# Altium PCB PCB3.PcbDoc (part 1 of 2) (continued)
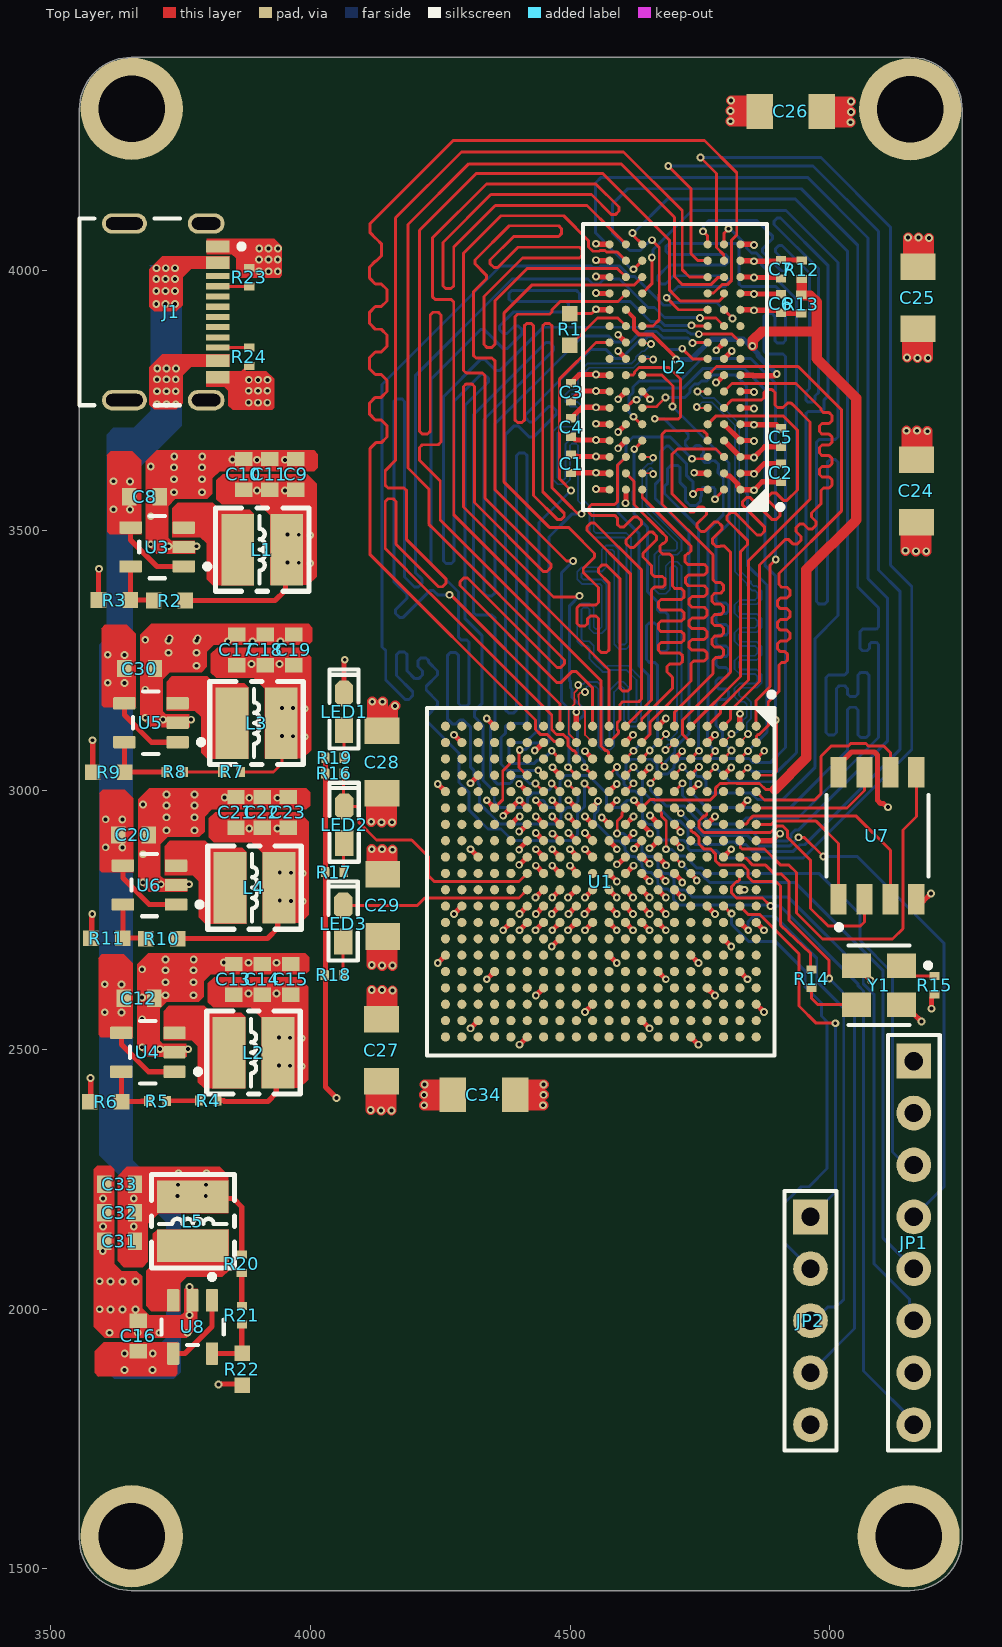
[diagram p0: Top Layer view]
## Part data
C1 C2 C3 C4 C5 C6 C7 C8 C9 C10 C11 C12 C13 C14 C15 C16 C17 C18 C19 C20 C21 C22 C23 C24 C25 C26 C27 C28 C29 C30 C31 C32 C33 C34: library part C
J1: library part CMP-04767-000028-1, "CONN RCP USB2.0 TYP C 24P SMD RA"
JP1: library part "Header 8", "8P接插件", BOM名称=8P接插件, 学习资源=www.ooocke.com, 版权归属=源创客
JP2: library part "Header 5", "5P接插件", BOM名称=5P接插件, 学习资源=www.ooocke.com, 版权归属=源创客
L1 L2 L3 L4 L5: library part L-CD
LED1 LED2 LED3: library part D
R1 R2 R3 R4 R5 R6 R7 R8 R9 R10 R11 R12 R13 R14 R15 R16 R17 R18 R19 R20 R21 R22 R23 R24: library part R
U1: library part CMP-0363-00008-3, "667 MHz Zynq™-7000 AP SoC, 130 PS I/O, 100 FPGA I/O, 400-Ball BGA, Speed Grade 1, Industrial Grade, Pb-Free", Generic Part Number=XC7Z010, Code_JEDEC=MO-275-MMAA-1, ComponentLink1Description=Datasheet, ComponentLink1URL=http://www.xilinx.com/support/documentation/data_sheets/ds190-Zynq-7000-Overview.pdf, ComponentLink2Description="Package Specification", ComponentLink2URL=http://www.xilinx.com/support/documentation/user_guides/ug865-Zynq-7000-Pkg-Pinout.pdf, ComponentLink3Description="DC and AC Switching Characteristics", ComponentLink3URL=http://www.xilinx.com/support/documentation/data_sheets/ds187-XC7Z010-XC7Z020-Data-Sheet.pdf, ComponentLink4Description="Package File", ComponentLink4URL=http://www.xilinx.com/support/packagefiles/z7packages/xc7z010clg400pkg.txt, ComponentLink5Description="Packaging and Pinout", ComponentLink5URL=http://www.xilinx.com/support/documentation/user_guides/ug865-Zynq-7000-Pkg-Pinout.pdf, ComponentLink6Description="PCB and Layout Guide", ComponentLink6URL=http://www.xilinx.com/support/documentation/user_guides/ug483_7Series_PCB.pdf, DatasheetVersion=v1.2, Extensible Block RAM (# 36Kb Blocks)="240 KB (60)", Flip Flops=35200, LUTs=17600, Mounting Technology="Surface Mount", PackageDescription="Wire-Bond Chip-Scale BGA, Body 17 x 17 mm, 0.8 mm Pitch", PackageReference=CLG400, PackageVersion="Rev 1.1, 09/2012", PartNumber=XC7Z010-1CLG400I, RoHS=Pb-Free, Speed Grade=-1
U2: library part CMP-2000-04968-1, "4 Gb DDR3-1600 SDRAM, 256 Mb x 16, 1.25 ns, 1.5 V, 0 to 95 degC, 96-Ball FBGA, Pb-Free", Manufacturer=Micron, Operating Supply Voltage=1.5V, Operating Temperature=0to95degC, Package=96FBGA, Package Description="96-Ball Fine-Pitch Ball Grid Array, Body 14 x 9 mm, Pitch 0.8 mm", Package Reference=HA-96, Address Bus Width=18Bit, Data Bus Width=16Bit, Datasheet URL=http://passthrough.fw-notify.net/download/888500/http://download.siliconexpert.com/pdfs/2013/4/14/9/8/34/442/mic_/manual/234gb_ddr3_sdram.pdf, Datasheet Version="Rev. M, 04/2013", Density=4Gb, Manufacturer URL=https://www.micron.com/, Maximum Clock Rate=1600MHz, Number of Bits per Word=16Bit, Rad Hard=No, Type=DDR3SDRAM
U3 U4 U5 U6 U8: library part CMP-04918-000387-1, "IC REG BUCK ADJ 2A SOT23-5", Case/Package=SOT-23-5, Max Input Voltage=5.5V, Max Operating Temperature=125°C, Min Input Voltage=2.5V, Min Operating Temperature=-40°C, Min Output Voltage=600mV, Output Current=2A, Switching Frequency=1.5MHz, Max Output Voltage=5.5V, Mount="Surface Mount", Output Configuration=Positive, Output Type=Adjustable, Packaging="Cut Tape", RoHS Compliant=Yes, Synchronous Rectifier=Yes
U7: library part CMP-78876-000009-1, "IC FLASH 16MBIT SPI/QUAD 8SOIC", Case/Package=SOIC, Frequency=133MHz, Max Operating Temperature=85°C, Min Operating Temperature=-40°C, Memory Size=16Mb, Memory Type=Non-Volatile, Mount="Surface Mount", Packaging="Tape and Reel", Series=SpiFlash®
Y1: library part CMP-25159-264104-1, "Oscillator MEMS 1MHz to 110MHz ±20ppm (Stability) LVCMOS 2.5V/2.8V/3V/3.3V Medical 4-Pin QFN SMD T/R"

## Free pads (board coordinates)
  round 196.85 hole 127.95: ""(3656,1563) ""(3656,4312) ""(5152,1563) ""(5155,4311)

## Via types
v1: diameter 15, hole 7.5, Top Layer to Bottom Layer, tented both sides, 471 vias
v2: diameter 15, hole 7, Top Layer to Bottom Layer, tented both sides, 4 vias

## Nets (pads, with @x,y where several pads share a name; then routed paths per layer and width w, separated by ;. In a path a pad name is that pad's centre, name@x,y a point inside that pad or via, vN(x,y) a via of type N, cw(c..) or ccw(c..) an arc to the next point about the centre after c; other vN are vias at no path point)
3V3: C31.1 C32.1 C33.1 C34.1 JP1.1 L5.2 R15.1 R16.1 R17.1 R18.1 R19.1 R20.2 U1.A13 U1.B6 U1.B16 U1.D7 U1.D12 U1.E15 U1.K6 U1.M6 U1.N6 U1.R6 U1.T6 U7.8 Y1.4 | length 1511.3
  Top Layer w10: L5.2@3773.6,2216.67 3777.13,2213.14 3851.64,2213.14 3867.6,2197.18 3867.6,2118.13 R20.2@3867.6,2105.25 ; R19.1@4028.76,3062.11 4028.76,2842 4028.76,2428.24 v1(4050,2407) ; v1(4371.1,2950.54) U1.T6@4386.02,2965.47 4386.84,2965.47 4401.77,2980.4 v1(4402.59,2980.4) U1.R6@4417.52,2965.47 ; v1(4465.58,2980.4) U1.N6@4480.51,2965.47 ; v1(4497.08,2980.4) U1.M6@4512.01,2965.47 ; U1.K6@4575,2965.47 v1(4589.93,2980.4) ; U1.E15@4732.48,2682.01 v1(4747.41,2667.08) ; U1.D12@4763.98,2776.5 v1(4778.9,2761.57) ; U1.D7@4763.98,2933.98 v1(4778.9,2948.9) ; U1.B16@4826.97,2650.51 v1(4841.9,2635.58) ; U1.B6@4826.97,2965.47 v1(4841.9,2980.4) ; U1.A13@4858.46,2745 v1(4873.39,2730.07) ; U7.8@5017,3034.05 5017,3047.83 5042.17,3073 5086.05,3073 5091.75,3067.3 5091.75,2980.25 5097.61,2974.39 5103.25,2974.39 5110.65,2967 v1(5112,2967) ; Y1.4@5162,2569 v1(5176.93,2554.07) ; v1(5196,2579) 5196,2600.28 R15.1@5202,2606.28
  Top Layer w20: C34.1@4394,2413 v1(4449,2413) ; C34.1@4408.59,2433 v1(4449,2433) ; C34.1@4410,2393 v1(4448,2393)
  other v1: 3659.65,2159.43 3659.65,2213.43 3744.26,2218.2 3798.26,2218.2 3744.93,2239.9 3798.93,2239.9 3745.93,2261.9 3799.93,2261.9
5V: C8.1 C12.1 C16.1 C20.1 C30.1 J1.A4-B9 J1.B4-A9 U3.1 U3.4 U4.1 U4.4 U5.1 U5.4 U6.1 U6.4 U8.1 U8.4 | length 734.7
  Top Layer w10: U4.4@3635.82,2532.4 3635.82,2509.76 3687.98,2457.6 U4.1@3738.18,2457.6 ; U6.4@3638.82,2854.4 3638.82,2830.36 3689.58,2779.6 U6.1@3741.18,2779.6 ; U5.4@3641.64,3167 3641.64,3144.36 3693.8,3092.2 U5.1@3744,3092.2 ; U3.4@3653.64,3505.4 3653.64,3481.36 3704.4,3430.6 U3.1@3756,3430.6 ; U8.4@3735.6,1914.82 3758.24,1914.82 3810.4,1966.98 U8.1@3810.4,2017.18
  other v1: 3641.93,1882.9 3695.93,1882.9 3642.26,1914.95 3696.26,1914.95 3603.9,2572.07 3635.95,2571.74 3603.9,2626.07 3635.95,2625.74 3637.71,2889.33 3605.65,2889.67 3637.71,2943.33 3605.65,2943.67 3641.77,3206.33 3609.72,3206.67 3641.77,3260.33 3609.72,3260.67 3652.53,3540.33 3620.47,3540.67 3652.53,3594.33 3620.47,3594.67 3704.67,3742.94 3722.67,3742.94 3740.67,3742.94 3704.67,3767.94 3722.67,3767.94 3740.67,3767.94 3704.67,3790.94 3722.67,3790.94 3740.67,3790.94 3705,3812 3723,3812 3741,3812 3703,3936 3721,3936 3739,3936 3703,3961 3721,3961 3739,3961 3703,3984 3721,3984 3739,3984 3703.33,4005.06 3721.33,4005.06 3739.33,4005.06
DDR_A0: U1.N2 U2.N3 | length 2413.9
  Top Layer w5.68: U1.N2@4480.51,3091.46 4478.39,3093.58 4469.42,3093.58 4455.75,3107.25 4442.51,3107.25 4433.22,3116.55 4433.22,3134.78 4115,3453 4115,3611.58 4115,3658.1 4125.92,3669.02 4136.54,3669.02 4147.46,3679.94 4147.46,3701.78 4136.54,3712.7 4124.92,3712.7 4114,3723.62 4114,3745.46 4124.92,3756.38 4136.54,3756.38 4147.46,3767.3 4147.46,3789.14 4136.54,3800.06 4124.92,3800.06 4114,3810.98 4114,3832.82 4124.92,3843.74 4136.54,3843.74 4147.46,3854.66 4147.46,3876.5 4136.54,3887.42 4124.92,3887.42 4114,3898.34 4114,3920.18 4124.92,3931.1 4136.54,3931.1 4147.46,3942.02 4147.46,3963.86 4136.54,3974.78 4124.92,3974.78 4114,3985.7 4114,4007.54 4124.92,4018.46 4126.27,4018.46 4137.19,4029.38 4137.19,4051.22 4126.27,4062.14 4125.92,4062.14 4115,4073.06 4115,4078 4115,4091 4275,4251 4759,4251 4821,4189 4821,4069 4811.21,4059.21 4811.21,3981.86 4802.59,3973.24 4792.47,3973.24 4776.26,3957.03 4765.57,3957.03 U2.N3@4765,3956.46
DDR_A1: U1.K2 U2.P7 | length 2513.3
  Top Layer w5.68: U1.K2@4575,3091.46 4593.04,3109.5 4593.04,3114.2 4590.8,3116.45 4590.8,3129.46 4596,3134.66 4596,3162 4596,3164.84 4601.17,3170.01 4632.19,3170.01 4637.36,3175.18 4637.36,3424.13 4547.26,3514.23 4539.95,3514.23 4532.64,3506.92 4532.64,3499.6 4616.68,3415.56 4616.68,3195.86 4611.51,3190.69 4601.17,3190.69 4596,3195.86 4596,3407 4569.22,3433.78 4561.91,3433.78 4554.59,3426.47 4554.59,3419.16 4575.32,3398.43 4575.32,3270.22 4570.15,3265.05 4559.81,3265.05 4554.64,3270.22 4554.64,3330.28 4549.47,3335.45 4539.13,3335.45 4533.96,3330.28 4533.96,3320.93 4528.79,3315.76 4518.45,3315.76 4513.28,3320.93 4513.28,3350.96 4518.45,3356.13 4549.47,3356.13 4554.64,3361.3 4554.64,3389.87 4525.35,3419.16 4525.35,3426.47 4547.28,3448.4 4547.28,3455.72 4502.66,3500.33 4497,3506 4460,3506 4373,3593 4373,3919 4427,3973 4624.06,3973 U2.P7@4639.02,3987.95
DDR_A2: U1.M3 U2.P3 | length 2500
  Top Layer w5.68: 4144,3589.69 4144,3586.85 ; U1.M3@4511.54,3059.96 U1.M3@4512.01,3059.96 4511.26,3060.71 4511.26,3072.43 4507.93,3075.76 4505.51,3075.76 4496.26,3085 4496.26,3097.91 4486.94,3107.23 4474.03,3107.23 4464.71,3116.55 4464.71,3144.29 4237.79,3371.21 4232.12,3376.88 4228.47,3380.53 4144,3465 4144,3555.83 4149.17,3561 4159.51,3561 4164.68,3555.83 4164.68,3473.56 4246.75,3391.5 4254.06,3391.5 4261.37,3398.81 4261.37,3406.12 4185.36,3482.13 4185.36,3576.51 4180.19,3581.68 4149.17,3581.68 4144,3586.85 ; U2.P3@4765,3987.95 4730.05,3987.95 4716,4002 4716,4116 4603,4229 4291,4229 4164,4102 4164,3635 4144,3615 4144,3586.85
DDR_A3: U1.K3 U2.N2 | length 2503.7
  Top Layer w5.68: U1.K3@4575,3059.96 4574.25,3060.71 4574.25,3072.43 4570.93,3075.76 4568.5,3075.76 4559.3,3084.95 4559.3,3210.7 4250,3520 4250,3595 4210,3635 4210,3657 4210,3659.84 4215.17,3665.01 4246.19,3665.01 4251.36,3670.18 4251.36,3915.04 4246.19,3920.21 4235.85,3920.21 4230.68,3915.04 4230.68,3690.86 4225.51,3685.69 4215.17,3685.69 4210,3690.86 4210,3938 4210,4078 4319,4187 4563.63,4187 4667.61,4083.02 4691.11,4059.52 4691.11,3962.89 4691.66,3962.34 4691.94,3962.34 4700.34,3953.94 4700.34,3953.66 4712.26,3941.74 4787.46,3941.74 4794.57,3948.86 4794.57,3954.53 U2.N2@4796.5,3956.46
DDR_A4: U1.M4 U2.P8 | length 2429.2
  Top Layer w5.68: v1(4496,3044) 4511.54,3028.46 U1.M4@4512.01,3028.46 ; v1(4506,3441) 4493,3441 4355,3579 4355,3824 4355,3826.84 4349.83,3832.01 4318.81,3832.01 4313.64,3837.18 4313.64,3959.13 4338.69,3984.18 4338.69,3991.49 4316.76,4013.43 4316.76,4020.74 4382.74,4086.72 4477.96,4086.72 4483.13,4081.55 4483.13,4071.21 4477.96,4066.04 4391.3,4066.04 4346,4020.74 4346,4013.43 4353.31,4006.12 4360.63,4006.12 4399.87,4045.36 4517.99,4045.36 4523.16,4040.19 4523.16,4029.85 4517.99,4024.68 4408.43,4024.68 4334.32,3950.57 4334.32,3857.86 4339.49,3852.69 4349.83,3852.69 4355,3857.86 4355,3942 4417,4004 4517.99,4004 4526,4004 4591.47,4004 U2.P8@4607.52,3987.95
  Bottom Layer w5.68: v1(4496,3044) 4497.78,3045.78 4497.78,3051.77 4498,3051.99 4498,3143.72 4497.66,3144.06 4497.66,3155.94 4483.3,3170.3 4483.3,3418.3 v1(4506,3441)
DDR_A5: U1.L1 U2.P2 | length 2512.1
  Top Layer w5.68: U1.L1@4543.5,3122.95 4543.5,3196.5 4513.29,3226.71 4511.28,3228.72 4503.97,3228.72 4482.03,3206.79 4474.72,3206.79 4287.79,3393.72 4287.79,3401.03 4295.1,3408.34 4302.41,3408.34 4474.72,3236.03 4482.03,3236.03 4489.34,3243.34 4489.34,3250.66 4240.29,3499.71 4228,3512 4228,3580 4188,3620 4188,4089 4305,4206 4598,4206 4701,4103 4701,3989 4716.76,3973.24 4771.09,3973.24 4785.24,3987.38 4795.93,3987.38 U2.P2@4796.5,3987.95
DDR_A6: U1.L4 U2.R8 | length 2443.8
  Top Layer w5.68: v1(4518,3374) 4518,3373 4517,3372 4503.82,3372 4468,3372 4295,3545 4295,3777.14 4300.17,3782.31 4310.51,3782.31 4315.68,3777.14 4315.68,3553.57 4448.28,3420.96 4455.59,3420.96 4462.9,3428.28 4462.9,3435.59 4336.36,3562.13 4336.36,3797.82 4331.19,3802.99 4300.17,3802.99 4295,3808.16 4295,3811 4295,4034 4367,4106 4487.59,4106 4535.66,4057.93 4535.66,4046.05 4544.06,4037.65 4555.94,4037.65 4557.39,4039.1 4567.06,4039.1 4569.93,4036.23 4590.74,4036.23 U2.R8@4607.52,4019.45 ; v1(4527.5,3044) 4543.03,3028.46 U1.L4@4543.5,3028.46
  Bottom Layer w5.68: v1(4518,3374) 4499.15,3355.15 4499.15,3210.45 4501.23,3208.37 4501.23,3196.5 4503.3,3194.42 4503.3,3178.98 4526.34,3155.94 4526.34,3144.06 4514.24,3131.96 4514.24,3068.95 4527.5,3055.69 v1(4527.5,3044)
DDR_A7: U1.K4 U2.R2 | length 2457.3
  Top Layer w5.68: U1.K4@4575,3028.46 4575,3028.94 v1(4590.54,3044.47) ; v1(4751,4218) 4781.78,4187.22 4781.78,4044.85 4795.93,4030.7 4795.93,4020.02 U2.R2@4796.5,4019.45 U2.R2@4797.45,4019.45
  Bottom Layer w5.68: v1(4590.54,3044.47) 4590.54,3031.57 4604.27,3017.84 4604.27,3010.46 4616.33,2998.4 4625.34,2998.4 4637.4,2986.34 4637.4,2973.65 4639.4,2971.65 4639.4,2952.03 4639.66,2951.77 4639.66,2945.06 4651.02,2933.71 4657.72,2933.71 4669.08,2922.35 4669.08,2912.47 4677.82,2903.72 4708.56,2903.72 4708.94,2903.34 4718.94,2903.34 4727.34,2894.94 4727.34,2887.33 4730.67,2884 4781,2884 4796,2869 4804.89,2869 4805.26,2869.36 4817.14,2869.36 4817.5,2869 4949,2869 5158,3078 5158,3392 5117,3433 5117,4084 4983,4218 v1(4751,4218)
DDR_A8: U1.K1 U2.T8 | length 2503.6
  Top Layer w5.68: U1.K1@4575,3122.95 4575,3231 4276,3530 4276,3937.01 4276,3939.85 4270.83,3945.02 4239.81,3945.02 4234.64,3950.19 4234.64,4063.13 4338.87,4167.36 4549.6,4167.36 4594.27,4122.68 4594.27,4115.37 4586.96,4108.06 4579.65,4108.06 4541.03,4146.68 4347.43,4146.68 4255.32,4054.57 4255.32,3970.87 4260.49,3965.7 4270.83,3965.7 4276,3970.87 4276,4046 4356,4126 4532.46,4126 4581.23,4077.23 U2.T8@4607.52,4050.94
DDR_A9: U1.J4 U2.R3 | length 2411.7
  Top Layer w5.68: U1.J4@4606.5,3028.46 4606.5,3028.94 v1(4622.03,3044.47) ; v1(4689,4202) 4733,4158 4733,4033 4746.55,4019.45 U2.R3@4765,4019.45
  Bottom Layer w5.68: v1(4622.03,3044.47) 4639.4,3027.1 4639.4,2998.03 4696.52,2940.92 4711.24,2940.92 4727.21,2924.95 4727.21,2908.76 4740.67,2895.3 4799.5,2895.3 4804.46,2900.25 4816.34,2900.25 4821.3,2895.3 4838.7,2895.3 4852,2882 4930,2882 4942.66,2894.66 4951.97,2894.66 5135,3077.69 5135,3383 5094,3424 5094,4076 4968,4202 v1(4689,4202)
DDR_A10: U1.F5 U2.L7 | length 2448.3
  Top Layer w5.68: U2.L7@4639.02,3893.46 4659.46,3893.46 4671.75,3905.75 4671.75,3941.97 4671.66,3942.06 4671.66,3953.94 4671.75,3954.03 4671.75,4044.91 v1(4657.66,4059) ; U1.F5@4700.98,2996.97 4700.98,2997.44 v1(4716.52,3012.98)
  Bottom Layer w5.68: v1(4657.66,4059) 4655,4059 4635,4039 4615,4039 4582,4072 4582,4129 4611,4158 4945,4158 5054,4049 5054,3391 5094,3351 5094,3317 5094,3314.16 5089.58,3309.74 5063.06,3309.74 5058.64,3305.32 5058.64,3272.66 5063.06,3268.24 5071.9,3268.24 5076.32,3272.66 5076.32,3280.15 5080.74,3284.57 5089.58,3284.57 5094,3280.15 5094,3246 5094,3101 4939,2946 4838.94,2946 4827.5,2934.56 4772.96,2934.56 4767.59,2939.94 4766.06,2939.94 4716.52,2989.48 v1(4716.52,3012.98)
DDR_A11: U1.G4 U2.R7 | length 2398.5
  Top Layer w5.68: v1@4622.51,4002.94 U2.R7@4639.02,4019.45 ; v1(4655,3013) 4655,3013.98 U1.G4@4669.49,3028.46
  Bottom Layer w5.68: v1@4620.06,4000.94 4564.34,4056.66 4564.34,4057.93 4549,4073.27 4549,4169 4560,4180 4957,4180 5074,4063 5074,3407 5111,3370 5111,3094 4940.34,2923.34 4934.06,2923.34 4925.66,2914.94 4925.66,2908.66 4918.66,2901.66 4880.74,2901.66 4879.33,2903.07 4867.45,2903.07 4847.52,2923 4765.17,2923 4736.89,2951.28 4736.89,2951.97 4719.26,2969.6 4684.82,2969.6 4655,2999.42 v1(4655,3013)
  other v1: 4622.06,4002.94
DDR_A12: U1.E4 U2.N7 | length 2461.1
  Top Layer w5.68: U2.N7@4639.02,3956.46 4657.41,3974.85 v1(4657.41,4025.53) ; U1.E4@4732.48,3028.46 4732.48,3028.94 v1(4748.02,3044.47)
  Bottom Layer w5.68: v1(4657.41,4025.53) 4657.41,4026.26 4660,4028.85 4660,4041 4735,4116 4916,4116 5016,4016 5016,3683 5016,3680.16 5010.83,3674.99 4979.81,3674.99 4974.64,3669.82 4974.64,3363.08 4979.81,3357.91 4990.15,3357.91 4995.32,3363.08 4995.32,3631.26 5000.49,3636.43 5010.83,3636.43 5016,3631.26 5016,3336 4972,3292 4972,3044 4909.61,2981.61 4860.96,2981.61 4847.84,2994.74 4765.08,2994.74 4761.75,2998.07 4761.75,3017.84 4753.35,3026.24 4745.01,3026.24 4741.68,3029.56 4741.68,3036.49 4748.02,3042.82 v1(4748.02,3044.47)
DDR_A13: U1.D4 U2.T3 | length 2439.8
  Top Layer w5.68: v1(4756,4076) 4765,4067 U2.T3@4765,4050.94 ; U1.D4@4763.98,3028.46 4763.98,3028.94 v1(4779.51,3044.47)
  Bottom Layer w5.68: v1(4756,4076) 4756.65,4076.65 4756.65,4086.65 4767,4097 4860,4097 4875,4082 4880.13,4076.87 4889.51,4067.49 4889.51,4061.24 4870.76,4042.49 4870.76,4036.24 4906.88,4000.12 4913.13,4000.12 4919.38,4006.37 4919.38,4012.62 4895.76,4036.24 4895.76,4042.49 4902.01,4048.74 4908.26,4048.74 4961,3996 4961,3773.1 4954,3766.1 4954,3751.36 4958.42,3746.94 4967.26,3746.94 4971.68,3751.36 4971.68,3758.78 4978.68,3765.78 4978.68,4003.32 4892.64,4089.37 4892.64,4095.62 4898.89,4101.87 4905.14,4101.87 4996.36,4010.65 4996.36,3758.45 4989.36,3751.45 4989.36,3733.68 4984.94,3729.26 4958.42,3729.26 4954,3724.84 4954,3722 4954,3054 4916,3016 4807.98,3016 v1(4779.51,3044.47)
DDR_A14: U1.F4 U2.T7 | length 2433.8
  Top Layer w5.68: v1(4620,4073) 4621.78,4071.22 4621.78,4068.18 U2.T7@4639.02,4050.94 ; U1.F4@4700.98,3028.46 4700.98,3028.94 v1(4716.52,3044.47)
  Bottom Layer w5.68: v1(4620,4073) 4622,4073 4687,4138 4934,4138 5034,4038 5034,3229.52 5034,3226.68 5028.83,3221.51 4997.81,3221.51 4992.64,3216.34 4992.64,3111.09 4997.81,3105.92 5008.15,3105.92 5013.32,3111.09 5013.32,3195.66 5018.49,3200.83 5028.83,3200.83 5034,3195.66 5034,3185.32 5039.17,3180.15 5049.51,3180.15 5054.68,3185.32 5054.68,3221.51 5059.85,3226.68 5070.19,3226.68 5075.36,3221.51 5075.36,3106.22 5070.19,3101.05 5059.85,3101.05 5054.68,3106.22 5054.68,3154.3 5049.51,3159.47 5039.17,3159.47 5034,3154.3 5034,3091 5034,3076 4924,2966 4763,2966 4732,2997 4732,3028.99 v1(4716.52,3044.47)
DDR_BA0: U1.L5 U2.M2 | length 2447.5
  Top Layer w5.68: v1(4527.5,3012.5) 4543.03,2996.97 U1.L5@4543.5,2996.97 ; U2.M2@4796.5,3924.96 4813,3908.46 v1(4813,3908)
  Bottom Layer w5.68: v1(4527.5,3012.5) 4527.5,2967.97 4524.17,2964.64 4524.04,2964.64 4514.24,2954.84 4514.24,2914.28 4503.02,2903.07 4473.35,2903.07 4471.94,2901.66 4460.06,2901.66 4458.65,2903.07 4388.93,2903.07 4367.12,2924.88 4342.12,2924.88 4305,2962 4305,2995.72 4286,3014.72 4286,3071 4224.98,3132.02 4222.97,3134.03 4222.97,3141.34 4244.9,3163.28 4244.9,3170.59 4222.97,3192.52 4222.97,3199.83 4244.9,3221.77 4244.9,3229.08 4227.72,3246.26 4227.72,3249.02 4222.55,3254.19 4212.21,3254.19 4207.04,3249.02 4207.04,3237.7 4215.66,3229.08 4215.66,3221.77 4208.35,3214.46 4201.03,3214.46 4186.36,3229.13 4186.36,3260.56 4181.19,3265.73 4170.85,3265.73 4165.68,3260.56 4165.68,3220.57 4197.01,3189.24 4197.01,3181.93 4189.7,3174.62 4182.38,3174.62 4145,3212 4145,3260.56 4145,3268.57 4138,3275.57 4138,3781 4366,4009 4541.22,4009 4544.06,4006.16 4555.94,4006.16 4558.78,4009 4595.72,4009 4616.12,3988.6 4625.12,3988.6 4680.06,3933.66 4691.94,3933.66 4697.28,3939 4782,3939 v1(4813,3908)
DDR_BA1: U1.R4 U2.N8 | length 2456.2
  Top Layer w5.68: v1(4403,3077) 4402.03,3076.03 4402.03,3066.67 4401.82,3066.46 4401.82,3043.18 4416.3,3028.7 U1.R4@4417.52,3028.7 ; v1(4522,3532) 4520.22,3533.78 4513.22,3533.78 4509.54,3537.46 4507.53,3539.47 4501.28,3545.72 4465,3582 4465,3894.18 4460.58,3898.6 4451.74,3898.6 4447.32,3894.18 4447.32,3574.68 4488.78,3533.22 4488.78,3526.97 4482.52,3520.72 4476.27,3520.72 4429.64,3567.35 4429.64,3894.18 4425.22,3898.6 4416.38,3898.6 4411.96,3894.18 4411.96,3712.13 4407.54,3707.71 4398.7,3707.71 4394.28,3712.13 4394.28,3911.86 4398.7,3916.28 4425.22,3916.28 4460.58,3916.28 4465,3920.7 4465,3923.54 4465,3925 4481,3941 4592.06,3941 U2.N8@4607.52,3956.46
  Bottom Layer w5.68: v1(4403,3077) 4403.79,3077.79 4413.51,3077.79 4426.06,3090.34 4455.98,3090.34 4459.3,3093.67 4459.3,3487.3 4504,3532 v1(4522,3532)
DDR_BA2: U1.J5 U2.M3 | length 2462.8
  Top Layer w5.68: U1.J5@4606.5,2996.97 4606.5,2997.44 v1(4622.03,3012.98) ; v1(4686,3948) 4709.04,3924.96 U2.M3@4765,3924.96
  Bottom Layer w5.68: v1(4622.03,3012.98) 4621.93,3012.98 4613.95,3020.96 4613.95,3032.28 4607.69,3038.53 4607.69,3050.41 4616.62,3059.34 4657.25,3059.34 4667.26,3049.33 4667.26,3039.46 4676.06,3030.66 4687.94,3030.66 4700.13,3042.85 4700.13,3048.36 4712.32,3060.55 4778.39,3060.55 4778.52,3060.68 4844.6,3060.68 4852.6,3052.68 4885.68,3052.68 4915,3082 4915,3832 4915,3834.84 4909.83,3840.01 4878.81,3840.01 4873.64,3845.18 4873.64,3912.46 4878.81,3917.63 4889.15,3917.63 4894.32,3912.46 4894.32,3865.86 4899.49,3860.69 4909.83,3860.69 4915,3865.86 4915,3936 4915,3951 4896.25,3969.75 4833,3969.75 4830.16,3969.75 4824.99,3974.92 4824.99,4047.3 4819.82,4052.47 4690.33,4052.47 4685.16,4047.3 4685.16,4036.96 4690.33,4031.79 4799.14,4031.79 4804.31,4026.62 4804.31,4016.28 4799.14,4011.11 4690.62,4011.11 4668.93,3989.42 4668.93,3982.11 4676.24,3974.79 4683.55,3974.79 4699.18,3990.43 4799.14,3990.43 4804.31,3985.26 4804.31,3974.92 4799.14,3969.75 4707.75,3969.75 4692.51,3954.51 v1(4686,3948)
DDR_CAS: U1.P5 U2.K3 | length 2462.7
  Top Layer w5.68: v1(4433.48,3012.5) U1.P5@4449.02,2996.97 U1.P5@4449.49,2996.97 ; v1(4736,3861) 4736.97,3861.97 U2.K3@4765,3861.97
  Bottom Layer w5.68: v1(4433.48,3012.5) 4421.78,3012.5 4407.94,3026.34 4396.06,3026.34 4387.66,3017.94 4387.66,3015.83 4384.33,3012.5 4366.5,3012.5 4365.35,3011.35 4360.65,3011.35 4347,3025 4347,3125 4355,3133 4355,3329.01 4355,3331.85 4349.83,3337.02 4318.81,3337.02 4313.64,3342.19 4313.64,3722.13 4453.28,3861.77 4460.59,3861.77 4467.9,3854.46 4467.9,3847.15 4334.32,3713.57 4334.32,3379.2 4339.49,3374.03 4349.83,3374.03 4355,3379.2 4355,3705 4494.84,3844.84 4500.5,3850.5 4524,3874 4575.21,3874 4586.65,3862.56 4616.34,3862.56 4632.46,3878.68 4641.71,3878.68 4646.05,3883.02 4666.67,3883.02 4678.71,3870.98 4726.02,3870.98 v1(4736,3861)
DDR_CK_N: U1.M2 U2.K7 | length 2439.4
  Top Layer w3.39: U1.M2@4512.01,3091.46 4512.01,3094.23 4497.45,3108.79 4497.45,3154.12 4508.36,3165.03 4508.36,3175.16 4508.01,3175.51 4508.01,3187.38 4513.81,3193.18 4513.81,3200.68 v1(4515.56,3202.43) ; U2.K7@4639.02,3861.97 4640.5,3860.48 4654.52,3860.48 v1(4656,3859)
  Bottom Layer w3.39: v1(4515.56,3202.43) 4517.17,3204.04 4525.48,3204.04 4529.68,3208.24 4552.2,3208.24 4562.45,3197.99 4562.45,3087.99 4564.44,3086 4574.14,3086 4576.13,3087.99 4576.13,3192.13 4592.39,3208.39 4602.48,3208.39 4612.39,3198.48 4612.39,3137.61 4619,3131 4626.01,3131 4628,3132.99 4628,3212 4609,3231 4576,3231 4572.54,3227.54 4562.59,3227.54 4543.8,3246.33 4537.37,3252.76 4537.37,3270 4537.37,3274.16 4533.52,3278 4522.35,3278 4513.58,3286.77 4513.58,3351.2 4522.35,3359.97 4537,3359.97 4545.77,3351.2 4545.77,3314.04 4549.62,3310.19 4557.31,3310.19 4561.16,3314.04 4561.16,3393.1 4557.31,3396.95 4522.35,3396.95 4513.58,3405.72 4513.58,3420.37 4522.35,3429.14 4557.31,3429.14 4561.16,3432.98 4561.16,3462.44 4569.93,3471.21 4584.58,3471.21 4593.35,3462.44 4593.35,3283.94 4597.19,3280.09 4604.89,3280.09 4608.74,3283.94 4608.74,3482.75 4604.89,3486.6 4546.14,3486.6 4537.37,3495.37 4537.37,3503 4537.37,3535.29 4515.2,3557.47 4515.2,3561 4515.2,3663.59 4511.35,3667.44 4503.65,3667.44 4499.8,3663.59 4499.8,3597.75 4491.04,3588.98 4476.39,3588.98 4467.62,3597.75 4467.62,3690.86 4476.39,3699.63 4511.35,3699.63 4515.2,3703.48 4515.2,3734.96 4511.35,3738.81 4500.17,3738.81 4491.41,3747.58 4491.41,3762.23 4500.17,3771 4511.35,3771 4515.2,3774.84 4515.2,3779 4515.2,3803.12 4533.69,3821.62 4618.62,3821.62 4626.61,3829.61 4626.61,3833.31 4638.5,3845.2 4642.82,3845.2 4656,3858.38 v1(4656,3859)
DDR_CK_P: U1.L2 U2.J7 | length 2426.7
  Top Layer w3.39: v1(4529,3189) 4527.24,3187.24 4519.74,3187.24 4516.41,3183.91 4516.41,3178.98 4516.76,3178.63 4516.76,3165.85 4518.83,3163.78 4518.83,3161.84 4528.95,3151.72 4528.95,3106.01 U1.L2@4543.5,3091.46 ; U2.J7@4643.02,3831.97 4644.5,3830.48 4658.52,3830.48 v1(4660,3829)
  Bottom Layer w3.39: v1(4529,3189) 4531.16,3191.16 4531.16,3197.85 4533.15,3199.84 4548.72,3199.84 4554.05,3194.51 4554.05,3084.51 4560.96,3077.61 4577.62,3077.61 4584.52,3084.51 4584.52,3188.65 4595.87,3200 4599,3200 4604,3195 4604,3134.13 4615.52,3122.61 4629.49,3122.61 4636.39,3129.51 4636.39,3215.48 4612.48,3239.39 4572.52,3239.39 4569.06,3235.94 4566.06,3235.94 4545.77,3256.23 4545.77,3270 4545.77,3277.63 4537,3286.4 4525.83,3286.4 4521.98,3290.25 4521.98,3347.73 4525.83,3351.57 4533.52,3351.57 4537.37,3347.73 4537.37,3310.56 4546.14,3301.79 4560.79,3301.79 4569.56,3310.56 4569.56,3396.58 4560.79,3405.35 4525.83,3405.35 4521.98,3409.19 4521.98,3416.89 4525.83,3420.74 4560.79,3420.74 4569.56,3429.51 4569.56,3458.96 4573.41,3462.81 4581.1,3462.81 4584.95,3458.96 4584.95,3280.46 4593.72,3271.7 4608.37,3271.7 4617.14,3280.46 4617.14,3486.23 4608.37,3495 4549.62,3495 4545.77,3498.84 4545.77,3503 4545.77,3538.77 4523.59,3560.94 4523.59,3561 4523.59,3667.07 4514.83,3675.84 4500.17,3675.84 4491.41,3667.07 4491.41,3601.22 4487.56,3597.37 4479.86,3597.37 4476.01,3601.22 4476.01,3687.38 4479.86,3691.23 4514.83,3691.23 4523.59,3700 4523.59,3738.44 4514.83,3747.21 4503.65,3747.21 4499.8,3751.05 4499.8,3758.75 4503.65,3762.6 4514.83,3762.6 4523.59,3771.37 4523.59,3779 4523.59,3799.65 4537.17,3813.22 4622.09,3813.22 4635.01,3826.13 4635.01,3829.83 4641.98,3836.81 4644.79,3836.81 4646.8,3834.8 4651.06,3834.8 4656.86,3829 v1(4660,3829)
DDR_CKE: U1.N3 U2.K9 | length 1053.8
  Top Layer w5.68: v1(4464.74,3075.5) 4480.28,3059.96 U1.N3@4480.75,3059.96 ; v1(4502,3577) 4480,3599 4480,3792 4549.97,3861.97 U2.K9@4576.02,3861.97
  Bottom Layer w5.68: v1(4464.74,3075.5) 4447.44,3058.2 4437.92,3058.2 4431.17,3051.45 4385.33,3051.45 4382,3054.78 4382,3086.67 4386.67,3091.34 4413.37,3091.34 4422.05,3100.02 4423.02,3100.02 4440.3,3117.3 4440.3,3515.3 v1(4502,3577)
DDR_CS: U1.N1 U2.L2 | length 2430.8
  Top Layer w5.68: v1(4268,3376) 4270,3376 4480.51,3165.49 U1.N1@4480.51,3122.95 ; v1(4750,3909) 4780.96,3909 U2.L2@4796.5,3893.46
  Bottom Layer w5.68: 4185.93,3376.58 4185.93,3369.27 4163.99,3347.34 4163.99,3340.03 4171.3,3332.71 4178.61,3332.71 4229.79,3383.89 4237.1,3383.9 4239.11,3381.89 4245,3376 v1(4268,3376) ; 4185.93,3376.58 4160.64,3401.87 4160.64,3748.22 4165.81,3753.39 4176.15,3753.39 4181.32,3748.22 4181.32,3410.43 4200.55,3391.21 4207.86,3391.21 4215.17,3398.52 4215.17,3405.83 4202,3419 4202,3759.99 4202,3768 4202,3798 4388,3984 4534.72,3984 4544.06,3974.66 4555.94,3974.66 4565.28,3984 4595.31,3984 4649.99,3929.32 4662.68,3929.32 4681.85,3910.15 4748.85,3910.15 v1(4750,3909)
DDR_DM0: U1.A1 U2.E7 | length 1079.8
  Top Layer w5.68: v1(4622,3719) 4636.51,3704.49 U2.E7@4639.02,3704.49 ; U1.A1@4858.46,3122.95 4858.46,3172.46 4885,3199 4885,3215 4885,3419 4885,3433 v1(4896,3444)
  Bottom Layer w5.68: v1(4622,3719) 4613.39,3727.61 4613.39,3757.67 4621,3765.28 4621,3776 4633,3788 4711,3788 4754,3831 4847.72,3831 4896,3782.72 v1(4896,3444)
DDR_DM1: U1.F1 U2.D3 | length 862.1
  Top Layer w5.68: U1.F1@4700.98,3122.95 4700.98,3150.02 4775,3224.03 4775,3226.27 4775,3249.79 4780.17,3254.96 4789.98,3254.96 4795.15,3260.13 4795.15,3270.47 4789.98,3275.64 4778.35,3275.64 4773.18,3280.81 4773.18,3291.15 4778.35,3296.32 4789.98,3296.32 4795.15,3301.49 4795.15,3311.83 4789.98,3317 4778.35,3317 4773.18,3322.17 4773.18,3332.51 4778.35,3337.68 4789.98,3337.68 4795.15,3342.85 4795.15,3353.19 4789.98,3358.36 4778.35,3358.36 4773.18,3363.53 4773.18,3373.87 4778.35,3379.04 4789.98,3379.04 4795.15,3384.21 4795.15,3394.55 4789.98,3399.72 4780.17,3399.72 4775,3404.89 4775,3431.27 4775,3453 4677,3551 4677,3685 4684,3692 4756.68,3692 4763.99,3684.69 4763.99,3674 U2.D3@4765,3672.99
DDR_DQ0: U1.E1 U2.E3 | length 1158.6
  Top Layer w5.68: U1.E1@4732.48,3122.95 4828,3218.47 4828,3459 4840,3471 4842.01,3473.01 4842.01,3480.32 4802.06,3520.27 4802.06,3527.58 4809.37,3534.89 4816.68,3534.89 4860.13,3491.45 4867.44,3491.45 4874.75,3498.76 4874.75,3506.07 4832.43,3548.39 4832.43,3555.7 4839.75,3563.01 4847.06,3563.01 4889.37,3520.69 4896.69,3520.69 4904,3528 4904,3535.31 4881.55,3557.76 4881.55,3565.08 4888.86,3572.39 4896.17,3572.39 4910.59,3557.97 4917.9,3557.97 4938,3578.07 4938,3579.22 4938,3693 4911,3720 4780.51,3720 U2.E3@4765,3704.49
DDR_DQ1: U1.B3 U2.F7 | length 996.4
  Top Layer w5.68: U2.F7@4639.02,3735.98 4640.94,3737.91 4647.08,3737.91 4647.38,3738.21 4666.21,3738.21 4671.48,3743.48 v1(4684,3756) ; U1.B3@4826.97,3059.96 4842.03,3075.02 v1(4842.5,3075.02)
  Bottom Layer w5.68: v1(4684,3756) 4721,3756 4731.16,3766.16 4731.16,3773.41 4739.56,3781.81 4746.81,3781.81 4752.9,3787.9 4763.62,3787.9 4775.06,3799.34 4818.24,3799.34 4840.09,3777.49 4840.09,3772.78 4839.68,3772.37 4839.68,3571.52 4842,3569.19 4842,3432 4879,3395 4879,3111.52 v1(4842.5,3075.02)
DDR_DQ2: U1.D1 U2.F2 | length 900.6
  Top Layer w5.68: U1.D1@4763.98,3122.95 4790,3148.98 4790,3158.27 4843.68,3211.95 4843.68,3441.68 4962,3560 4962,3709 4931,3740 4925.86,3745.14 4918.55,3745.14 4909.96,3736.54 4899.62,3736.54 4894.45,3741.71 4894.45,3765.81 4889.28,3770.98 4878.94,3770.98 4873.77,3765.81 4873.77,3756.17 4868.6,3751 4865.76,3751 4811.51,3751 U2.F2@4796.5,3735.98
DDR_DQ3: U1.A4 U2.F8 | length 1103.8
  Top Layer w5.68: U2.F8@4607.52,3735.98 4621.48,3749.95 4625.95,3749.95 v1(4627.73,3751.73) ; U1.A4@4858.46,3028.46 4890.46,3028.46 4897.78,3035.78 4897.78,3133.22 v1(4896,3135)
  Bottom Layer w5.68: v1(4627.73,3751.73) 4630.25,3751.73 4634.4,3755.88 4634.88,3755.88 4653,3774 4718.06,3774 4756.33,3812.27 4834.73,3812.27 4875,3772 4875,3433 4896,3412 v1(4896,3135)
DDR_DQ4: U1.A2 U2.H3 | length 1135.7
  Top Layer w5.68: U2.H3@4765,3798.98 4781.78,3815.76 4939.24,3815.76 5023,3732 5023,3538 4902.14,3417.14 4902.14,3398.59 4902.14,3395.75 4907.31,3390.58 4917.98,3390.58 4923.15,3385.41 4923.15,3375.07 4917.98,3369.9 4904.93,3369.9 4899.76,3364.73 4899.76,3354.39 4904.93,3349.22 4917.98,3349.22 4923.15,3344.05 4923.15,3333.71 4917.98,3328.54 4904.93,3328.54 4899.76,3323.37 4899.76,3313.03 4904.93,3307.86 4917.98,3307.86 4923.15,3302.69 4923.15,3292.35 4917.98,3287.18 4904.93,3287.18 4899.76,3282.01 4899.76,3271.67 4904.93,3266.5 4913.92,3266.5 4919.09,3261.33 4919.09,3250.99 4913.92,3245.82 4907.31,3245.82 4902.14,3240.65 4902.14,3196.59 4902.14,3190.14 4881.66,3169.66 4881.66,3129.06 4881.86,3128.86 4881.86,3124.15 4864.97,3107.25 4862.54,3107.25 4859.21,3103.93 4859.21,3092.2 U1.A2@4858.46,3091.46
DDR_DQ5: U1.D3 U2.H8 | length 1049.7
  Top Layer w5.68: U2.H8@4607.52,3798.98 4620.97,3798.98 4624.3,3802.3 4624.3,3805.07 4632.92,3813.69 4690.31,3813.69 4712.5,3791.5 4712.5,3718.5 4709,3715 v1(4663,3715) ; U1.D3@4763.98,3059.02 U1.D3@4763.98,3059.49 ; U1.D3@4763.98,3060.43 U1.D3@4763.98,3059.96 U1.D3@4763.98,3059.49 ; v1(4779.51,3075.02) U1.D3@4763.98,3059.49
  Bottom Layer w5.68: v1(4663,3715) 4681,3715 4702.5,3693.5 4704.51,3691.49 4711.82,3691.49 4712.99,3692.67 4720.31,3692.67 4727.62,3685.35 4727.62,3678.04 4721.79,3672.21 4721.79,3664.9 4729.1,3657.59 4736.41,3657.59 4742.24,3663.42 4749.55,3663.42 4756.86,3656.11 4756.86,3648.8 4753,3644.93 4753,3637.62 4760.31,3630.31 4767.62,3630.31 4771.49,3634.17 4778.8,3634.17 4786.11,3626.86 4786.11,3619.55 4784.93,3618.38 4784.93,3611.07 4790.5,3605.5 4795,3601 4795,3530 4766,3501 4766,3113.76 4764.56,3112.32 4764.56,3100.44 4766,3099.01 4766,3088.54 v1(4779.51,3075.02)
DDR_DQ6: U1.C1 U2.G2 | length 1109.4
  Top Layer w5.68: U1.C1@4795.47,3122.95 4809,3136.48 4809,3153 4865,3209 4865,3433.28 4897.32,3465.6 4913.95,3482.23 4921.26,3482.23 4929.92,3473.58 4937.23,3473.58 4944.54,3480.89 4944.54,3488.2 4934.88,3497.86 4934.88,3505.17 4942.19,3512.48 4949.51,3512.48 4959.17,3502.82 4966.48,3502.82 4973.79,3510.13 4973.79,3517.44 4965.13,3526.1 4965.13,3533.41 4983,3551.28 4983,3552.75 4983,3553.26 4983,3576.78 4988.17,3581.95 4999,3581.95 5004.17,3587.12 5004.17,3597.46 4999,3602.63 4985.34,3602.63 4980.17,3607.8 4980.17,3618.14 4985.34,3623.31 4999,3623.31 5004.17,3628.48 5004.17,3638.82 4999,3643.99 4985.34,3643.99 4980.17,3649.16 4980.17,3659.5 4985.34,3664.67 4999,3664.67 5004.17,3669.84 5004.17,3680.18 4999,3685.35 4985.34,3685.35 4980.17,3690.52 4980.17,3700.86 4985.34,3706.03 4999,3706.03 5004.17,3711.2 5004.17,3721.54 4999,3726.71 4988.17,3726.71 4983,3731.88 4983,3735 4977.41,3740.59 4935,3783 4812.02,3783 U2.G2@4796.5,3767.48
DDR_DQ7: U1.C3 U2.H7 | length 1040.6
  Top Layer w5.68: U2.H7@4639.02,3798.98 4677.02,3798.98 4698,3778 4698,3762.28 4698.34,3761.94 4698.34,3750.06 4698,3749.72 4698,3739.34 v1(4697.29,3738.63) ; U1.C3@4795.47,3059.96 4795.47,3060.43 v1(4811.01,3075.97)
  Bottom Layer w5.68: v1(4697.29,3738.63) 4806,3629.92 4806,3514 4781,3489 4781,3368.33 4781,3365.49 4786.17,3360.32 4799.76,3360.32 4804.92,3355.15 4804.92,3344.81 4799.76,3339.64 4786.09,3339.64 4780.92,3334.47 4780.92,3324.13 4786.09,3318.96 4799.76,3318.96 4804.92,3313.79 4804.92,3303.45 4799.76,3298.28 4786.09,3298.28 4780.92,3293.11 4780.92,3282.77 4786.09,3277.6 4799.76,3277.6 4804.92,3272.43 4804.92,3262.09 4799.76,3256.93 4786.09,3256.93 4780.92,3251.76 4780.92,3241.42 4786.09,3236.25 4799.76,3236.25 4804.92,3231.08 4804.92,3220.74 4799.76,3215.57 4786.09,3215.57 4780.92,3210.4 4780.92,3200.06 4786.09,3194.89 4799.76,3194.89 4804.92,3189.72 4804.92,3179.38 4799.76,3174.21 4786.17,3174.21 4781,3169.04 4781,3141.33 4781,3124.57 4793.24,3112.32 4793.24,3100.44 4792.24,3099.44 4792.24,3094.74 v1(4811.01,3075.97)
DDR_DQ8: U1.H3 U2.D7 | length 823.7
  Top Layer w5.68: v1(4623.54,3656.45) 4639.02,3671.93 U2.D7@4639.02,3672.99 ; U1.H3@4637.99,3059.96 4637.99,3060.43 v1(4653.53,3075.97)
  Bottom Layer w5.68: v1(4623.54,3656.45) 4623,3655.91 4623,3576.81 4621.54,3575.35 4621.54,3558.51 4623,3557.05 4623,3532 4649,3506 4649,3382 4668,3363 4668,3347.74 ; v1(4653.53,3075.97) 4668,3090.44 4668,3238 4668,3240.84 4662.83,3246.01 4652.49,3246.01 4647.32,3251.18 4647.32,3316.72 4652.49,3321.89 4662.83,3321.89 4668,3316.72 4668,3271.86 4673.17,3266.69 4683.51,3266.69 4688.68,3271.86 4688.68,3337.4 4683.51,3342.57 4673.17,3342.57 4668,3347.74 ; 4668,3350.58 4668,3347.74
DDR_DQ9: U1.J3 U2.C3 | length 838.6
  Top Layer w5.68: U1.J3@4606.5,3059.49 U1.J3@4606.5,3059.96 ; U1.J3@4606.5,3060.43 U1.J3@4606.5,3059.96 ; v1(4622.03,3075.5) U1.J3@4606.5,3059.96 ; v1(4735,3638) 4758.78,3638 4762.28,3641.5 U2.C3@4765,3641.5
  Bottom Layer w5.68: v1(4622.03,3075.5) 4651,3104.46 4651,3221 4633,3239 4633,3493.67 4592.13,3534.54 4592.13,3628.13 4608,3644 4608,3667 4621,3680 4693,3680 v1(4735,3638)